# Allegro board 038RT-9068CJK8E-A100_0921.brd (continued)
## Routing (per net, layer and track width the routed paths; a pad name or vN(x,y) marks a point on that pad's centre or on a via; arc(x,y) is an arc through that point) (continued)
SLOT2.UB6: length 1258.2
  L24_RLY w0.203: UNK3K225.8 552.23,241.6 550.66,240.03 550.66,212.09 551.42,211.33 551.42,205.49 548.62,202.69 538.78,202.69 UNK1K225.8 ; UNK2K225.8 186.04,284.39 186.04,287.4 183.63,289.81 164.83,289.81 161.27,286.26 161.27,282.7 160,281.43 153.65,281.43 146.12,273.9 146.12,242.99 147.3,241.81 147.3,233.68 146.29,232.66 139.8,232.66 K225.8 137.98,230.69 139.68,228.98 147.56,228.98 149.72,226.82 149.72,220.6 174.48,195.83 174.48,101.25 185.18,90.55 249.03,90.55 250.77,92.29 250.77,95.61 SLOT2-DOWN.D3
  L38_SIGNAL w0.203: UNK3K225.8 551.3,240.28 537.19,240.28 536.18,239.27 536.18,234.44 537.45,233.17 541.51,233.17 542.27,232.41 542.27,230.89 553.2,219.96 568.69,219.96 570.98,217.68 570.98,176.88 568.72,174.62 532.62,174.62 514.41,156.41 514.41,87.19 505.47,78.26 189.29,78.26 175.66,91.89 175.66,158.2 157.02,176.85 132.5,176.85 125.71,183.64 125.71,206.76 123.99,208.48 123.99,234.54 126.88,237.44 126.88,243.03 132.24,248.39 142.99,248.39 145.37,250.77 145.37,252.58 151.11,258.32 178.55,258.32 182.61,262.38 182.61,276.35 187.57,281.31 UNK2K225.8
SLOT2.UB7: length 1216.8
  L24_RLY w0.203: UNK2K226.8 198.32,278.38 159.75,278.38 158.48,277.11 158.48,245.62 154.42,241.55 154.42,232.04 K226.8 153.22,228.4 153.91,227.71 153.91,217.68 175.62,195.96 175.62,101.73 185.66,91.69 248.78,91.69 249.92,92.84 249.92,96.76 SLOT2-DOWN.D4 ; UNK3K226.8 539.22,239.77 539.22,228.1 540.75,226.57 540.75,219.46 536.43,215.14 536.43,210.19 537.38,209.24 UNK1K226.8
  L38_SIGNAL w0.203: UNK2K226.8 202.81,282.07 194.55,273.81 194.55,256.54 192.77,254.76 148.83,254.76 146.54,252.48 146.54,249.43 144.05,246.94 132.34,246.94 128.1,242.7 128.1,236.37 125.82,234.09 125.82,208.13 128.13,205.82 128.13,183.26 133.5,177.89 157.24,177.89 177.03,158.1 177.03,92.46 190.12,79.38 504.68,79.38 513.18,87.87 513.18,156.45 532.62,175.89 568.05,175.89 570.21,178.05 570.21,217.42 568.44,219.2 552.94,219.2 541.26,230.89 536.69,230.89 535.42,232.16 535.42,239.64 UNK3K226.8
SLOT2.UB15: length 261.4
  L36_SIGNAL w0.203: KB1.12 57.21,394.39 59.29,392.3 229.3,392.3 235.7,385.9 235.7,333.89 237,332.59 245.45,332.59 SLOT2-UP.F3
SLOT3.CH0: length 563.4
  L21_SIGNAL w0.105: SLOT3-UP.B27 440.9,382.84 440.9,392.73 437.75,395.88 360.52,395.88 352.31,387.67 352.31,330.57 333.29,311.56 333.29,270.86 325.25,262.83 325.25,260.39 318.9,254.03 318.9,214.99 316.82,212.91 311.78,212.91 310.81,213.88 310.81,215.62 308.17,218.26 308.17,228.72 304.22,232.67 219.75,232.67 215.73,236.69 215.73,245.94 214.01,247.67 179.28,247.67 173.54,241.92 121.68,241.92 119.17,244.44 119.17,275.9 v1(115.62,279.45)
  BOTTOM w0.115: v1(115.62,279.45) UNK2RR930.2
SLOT3.CH1: length 325.5
  L21_SIGNAL w0.105: SLOT3-UP.A26 447.92,377.26 447.92,394.88 441.58,401.22 342.49,401.22 321.12,379.86 321.12,260.43 313.56,252.87 313.56,215.92 K34.2
SLOT3.CH2: length 619.6
  TOP w0.115: v2(400.7,451.66) v2(400.7,449.12) 402.68,447.14 402.68,443.15 402.03,442.51 UNK3HOST2.26
  L19_SIGNAL w0.105: SLOT3-UP.C26 444.25,377.59 447.78,377.59 450.6,380.41 540.31,380.41 574.4,346.32 645.54,346.32 669.3,370.09 669.3,438.03 639.95,467.38 416.41,467.38 v2(400.7,451.66)
SLOT3.CH3: length 735.2
  TOP w0.115: UNK1HOST2.26 464.71,33.66 464.07,33.02 464.07,29.03 v2(466.05,27.05) v2(466.05,24.51)
  L19_SIGNAL w0.105: v2(466.05,24.51) 466.79,25.25 466.79,28.82 465.87,29.74 465.87,32.66 468.99,35.78 468.99,43.37 468.16,44.19 468.16,46.96 467.42,47.71 467.42,58.37 462.52,63.26 440.26,63.26 434.02,69.5 434.02,119.8 436.14,121.93 437.22,121.93 438.19,120.95 439.66,120.95 440.36,121.65 458.68,121.65 460.38,123.35 460.38,145.98 478.98,164.58 618.32,164.58 625.01,171.27 625.01,295.61 626.86,297.46 626.86,343.09 624.57,345.38 569.1,345.38 536.76,377.73 489.88,377.73 489.03,378.58 487.66,378.58 486.81,377.73 465.12,377.73 464.25,378.6 462.78,378.6 462.08,377.91 450.65,377.91 448.07,375.33 445.99,375.33 SLOT3-UP.B25
SLOT3.CH4: length 322.2
  L21_SIGNAL w0.105: SLOT3-UP.A24 446.15,373.6 446.15,395 441.3,399.84 343.91,399.84 322.48,378.41 322.48,260.22 316.53,254.27 316.53,223.18 315.74,222.39 315.74,217.88 v2(314.72,216.86)
SLOT3.CH5: length 709
  TOP w0.115: v2(404.04,24.51) v2(404.04,27.05) 402.06,29.03 402.06,33.02 402.7,33.66 UNK1HOST1.26
  L19_SIGNAL w0.102: 396.8,46.91 401.96,52.07
  L19_SIGNAL w0.105: v2(404.04,24.51) 397.02,24.51 394.76,26.77 394.76,34.71 393.09,36.38 393.09,38.96 396.43,42.3 396.43,46.54 396.8,46.91 ; 401.96,52.07 404.92,55.03 404.92,63.49 429.77,88.33 429.77,121.48 433.91,125.62 437.36,125.62 438.23,124.75 439.83,124.75 440.8,125.72 457.4,125.72 459.07,127.4 459.07,147.84 477.33,166.09 560.61,166.09 562.25,167.73 591.91,167.73 594.5,170.33 606.03,170.33 616.22,180.51 620.86,180.51 624.21,183.86 624.21,223.02 622.53,224.69 622.53,286.93 619.11,290.35 612.07,290.35 607.43,294.99 607.43,330.98 599.14,339.27 565.8,339.27 531.41,373.65 490.23,373.65 489.13,374.75 488.01,374.75 486.8,373.54 465.65,373.54 464.32,374.86 463.13,374.86 462.15,373.89 448.57,373.89 447.99,373.3 443.96,373.3 SLOT3-UP.C24
SLOT3.CH6: length 747.5
  TOP w0.115: v2(285.13,24.51) v2(285.13,27.05) 282.9,29.28 282.9,32.82 282.66,33.06 HOST2.27
  L19_SIGNAL w0.105: SLOT3-UP.B23 445.95,371.29 447.9,371.29 449.4,369.8 462.08,369.8 463.12,370.84 464.1,370.84 465.12,369.82 487.41,369.82 488.36,370.77 489.56,370.77 490.81,369.52 523.7,369.52 563.14,330.08 576.32,330.08 583.01,323.4 583.01,302.13 587.49,297.65 587.49,240.13 586.54,239.18 586.54,231.37 587.59,230.32 587.59,179.78 580.05,172.24 558.28,172.24 554.09,168.05 477.09,168.05 457.7,148.65 457.7,132.31 455.16,129.77 440.2,129.77 439.3,128.87 438,128.87 437.09,129.79 434.6,129.79 425.87,121.06 425.87,94.1 419.81,88.04 394.35,88.04 366.23,59.92 366.23,18.24 360.24,12.25 337.08,12.25 332.39,16.94 290.13,16.94 285.94,21.13 285.94,23.7 v2(285.13,24.51)
SLOT3.CH7: length 289.3
  L19_SIGNAL w0.105: v1(342.59,217.53) 344.85,219.79 345.63,219.79 351.8,225.97 357.76,225.97 369.13,237.33 475.01,237.33 479.45,241.78 479.45,289.17 453.04,315.58 453.04,362.7 SLOT3-UP.A22
  BOTTOM w0.115: MUX14.7 341.94,218.18 v1(342.59,217.53)
SLOT3.CH8: length 765.5
  TOP w0.115: v2(283.6,24.51) v2(283.6,27.05) 281.62,29.03 281.62,33.02 282.26,33.66 HOST2.26
  L19_SIGNAL w0.105: v2(283.6,24.51) 284.36,23.75 284.36,21.51 289.85,16.02 332,16.02 336.69,11.33 360.62,11.33 367.15,17.86 367.15,59.54 394.94,87.32 421.07,87.32 427.6,93.85 427.6,121.23 434.01,127.65 437.28,127.65 437.98,126.95 440.05,126.95 440.67,127.57 456.37,127.57 458.62,129.82 458.62,148.06 477.22,166.66 554.57,166.66 559.41,171.5 585.07,171.5 589.66,176.1 589.66,230.98 589.16,231.48 589.16,294.5 588.37,295.29 588.37,328.49 582.13,334.73 564.36,334.73 527.55,371.54 490.33,371.54 489.21,372.67 488.01,372.67 487.16,371.82 465.02,371.82 464,372.84 463.13,372.84 462.08,371.79 444.7,371.79 444.01,371.09 444.01,369.35 SLOT3-UP.C22
SLOT3.CH9: length 288.5
  L19_SIGNAL w0.105: v1(342.59,219.48) 343.36,220.26 345.22,220.26 346.43,221.46 346.43,223.35 349.66,226.58 357.61,226.58 369.36,238.33 475.24,238.33 478.85,241.94 478.85,288.92 452.44,315.33 452.44,361.07 447.86,365.65 446.1,365.65 SLOT3-UP.B21
  BOTTOM w0.115: MUX14.6 341.94,218.83 v1(342.59,219.48)
SLOT3.CH10: length 277.8
  L19_SIGNAL w0.105: v1(342.59,228.96) 357.19,228.96 367.47,239.23 474.25,239.23 478.07,243.05 478.07,288.59 451.66,315 451.66,360.09 SLOT3-UP.A20
  BOTTOM w0.115: v1(342.59,228.96) 341.94,229.61 MUX13.7
SLOT3.CH11: length 314.8
  L21_SIGNAL w0.105: v1(594.46,180.67) 593.47,181.66 593.47,182.54 589.21,186.8 589.21,232.16 587.83,233.55 587.83,235.59 585.64,237.77 561.56,237.77 556.28,243.05 519.07,243.05 511.75,250.37 511.75,275.56 508.36,278.96 459.75,278.96 453.69,285.02 453.69,308.28 439.31,322.65 439.31,356.17 440.72,357.57 441.6,357.57 442.27,358.24 442.27,363.61 SLOT3-UP.C20
  BOTTOM w0.115: v1(594.46,180.67) UNK1RR512.2
SLOT3.CH12: length 275.7
  L19_SIGNAL w0.105: SLOT3-UP.B19 446.22,361.53 448.22,361.53 450.11,359.64 450.11,314.36 476.52,287.95 476.52,256.17 477.3,255.38 477.3,243.42 474.04,240.16 367.28,240.16 358.79,231.67 343.34,231.67 v1(342.59,230.91)
  BOTTOM w0.115: v1(342.59,230.91) 341.94,230.26 MUX13.6
SLOT3.CH13: length 287.9
  L19_SIGNAL w0.105: SLOT3-UP.A18 449.32,358.42 449.32,314.04 475.73,287.63 475.73,255.92 476.66,254.99 476.66,243.65 473.63,240.62 420.39,240.62 416.45,244.56 414.6,244.56 411.96,247.19 397.29,247.19 393.41,243.31 369.53,243.31 358.24,232.01 334.61,232.01 333.51,230.91 v1(330.83,230.91)
  BOTTOM w0.115: MUX16.6 330.18,230.26 v1(330.83,230.91)
SLOT3.CH15: length 182.8
  L21_SIGNAL w0.105: S3_TAPSL1.2 557.76,404.98 455.76,404.98 448.29,397.51 448.29,359.92 447.91,359.54 446.2,359.54 SLOT3-UP.B17
  BOTTOM w0.115: UNK3RD80.2 S3_TAPSL1.2
SLOT3.CH16: length 351.5
  L21_SIGNAL w0.105: SLOT3-UP.A16 449.56,358.9 449.56,395.99 456.52,402.95 573.16,402.95 614.16,361.95 614.16,307.21 610.35,303.4 610.35,282.83 613.01,280.16 613.01,260.48 608.19,255.65 608.19,242.2 v1(606.65,240.67)
SLOT3.CH17: length 195.9
  L21_SIGNAL w0.105: S3_TAPSL0.2 567.04,404.09 456.14,404.09 448.93,396.88 448.93,359.03 447.28,357.38 444.04,357.38 SLOT3-UP.C16
  BOTTOM w0.115: UNK3RD79.2 S3_TAPSL0.2
SLOT3.CH18: length 345.3
  L21_SIGNAL w0.105: v1(602.59,240.67) 601.71,241.55 601.71,251.97 607.3,257.56 607.3,275.59 608.82,277.11 608.82,295.78 607.3,297.31 607.3,364.36 570.49,401.17 457.92,401.17 450.96,394.21 450.96,358.27 448.04,355.35 446.01,355.35 SLOT3-UP.B15
SLOT3.CH19: length 340
  L21_SIGNAL w0.102: 606.06,258.6 606.15,258.7 606.15,273.84
  L21_SIGNAL w0.105: v1(598.53,240.67) 597.9,241.3 597.9,250.44 606.06,258.6 ; 606.15,273.84 606.15,304.04 602.34,307.85 602.34,366.9 570.11,399.14 459.57,399.14 452.1,391.67 452.1,356.24 448.41,352.54 SLOT3-UP.A14
SLOT3.CH20: length 346.6
  L21_SIGNAL w0.105: v1(600.56,240.67) 599.93,241.3 599.93,250.7 606.79,257.56 606.79,275.84 608.06,277.11 608.06,295.47 606.54,296.99 606.54,364.05 570.43,400.15 458.68,400.15 451.6,393.06 451.6,357.25 447.91,353.57 444.23,353.57 SLOT3-UP.C14
SLOT3.CH21: length 339.6
  L21_SIGNAL w0.105: v1(594.46,240.67) 593.2,241.93 593.2,243.08 589.77,246.51 589.77,290.23 600.69,301.15 600.69,365.12 568.72,397.1 461.1,397.1 453.25,389.25 453.25,355.09 447.91,349.76 445.98,349.76 SLOT3-UP.B13
SLOT3.CH22: length 330.2
  L21_SIGNAL w0.105: SLOT3-UP.A12 450.51,348.54 455.28,353.31 455.28,387.1 463.25,395.07 569.1,395.07 596.12,368.05 596.12,297.94 588.88,290.7 588.88,242.19 v1(590.4,240.67)
SLOT3.CH23: length 339.1
  L21_SIGNAL w0.105: v1(592.43,240.67) 591.04,242.06 591.04,243.59 589.39,245.24 589.39,290.38 600.31,301.31 600.31,364.74 568.97,396.09 462.11,396.09 453.88,387.86 453.88,354.84 448.29,349.25 443.91,349.25 SLOT3-UP.C12
  BOTTOM w0.115: v1(592.43,240.67) UNK3RR510.2
SLOT3.CH24: length 330.8
  L21_SIGNAL w0.105: v1(588.37,240.67) 587.23,241.8 587.23,248.16 588.37,249.3 588.37,292.23 595.36,299.21 595.36,368.05 569.48,393.93 464.4,393.93 455.79,385.32 455.79,352.68 450.45,347.35 446.01,347.35 SLOT3-UP.B11
SLOT3.CH25: length 324
  L21_SIGNAL w0.105: v1(584.3,240.67) 584.82,241.19 584.82,248.16 587.23,250.57 587.23,292.61 593.58,298.96 593.58,366.39 568.21,391.77 466.3,391.77 457.69,383.16 457.69,352.55 449.68,344.54 SLOT3-UP.A10
SLOT3.CH26: length 331.3
  L21_SIGNAL w0.105: SLOT3-UP.C10 444.1,345.44 449.56,345.44 457.18,353.06 457.18,384.94 465.16,392.91 568.21,392.91 594.85,366.27 594.85,299.47 587.74,292.35 587.74,250.32 585.45,248.03 585.45,241.55 v1(586.33,240.67)
SLOT3.CH27: length 316.1
  L21_SIGNAL w0.105: SLOT3-UP.B9 445.94,343.28 449.82,343.28 459.09,352.55 459.09,383.41 466.68,391.01 567.83,391.01 589.77,369.06 589.77,298.7 576.44,285.37 576.44,252.39 v1(574.97,250.92)
SLOT3.CH28: length 395.4
  L11_SIGNAL w0.102: v1(401.3,263.02) 400.9,263.42 397.68,263.42
  L11_SIGNAL w0.105: 397.68,263.42 396.95,263.42 396.37,264 396.37,268.55 395.06,269.86 395.06,278.21 416.4,299.55 507.62,299.55 519.73,287.43 519.73,281.48 v2(521.89,279.32)
  L21_SIGNAL w0.105: v2(521.89,279.32) 522.46,279.89 522.46,304.33 534.27,316.14 534.27,366.9 512.33,388.85 467.06,388.85 459.85,381.63 459.85,349.38 451.02,340.54 SLOT3-UP.A8
SLOT3.CH29: length 244.8
  L21_SIGNAL w0.105: SLOT3-UP.C8 444.29,341.63 450.2,341.63 459.47,350.9 459.47,382.9 466.68,390.12 512.96,390.12 536.05,367.03 536.05,316.61 525,305.56 525,285.5 523.86,284.35 523.86,272.12 UNK3K233.4
SLOT3.CH30: length 396
  L11_SIGNAL w0.102: 397.68,262.62 400.1,262.62 v1(400.5,263.02)
  L11_SIGNAL w0.105: v2(521.89,280.85) 520.53,282.21 520.53,287.76 507.95,300.35 416.07,300.35 393.39,277.67 393.39,272.83 394.25,271.97 394.25,269.5 395.57,268.18 395.57,263.67 396.62,262.62 397.68,262.62
  L21_SIGNAL w0.105: SLOT3-UP.B7 445.92,337.82 450.71,337.82 460.36,347.47 460.36,379.98 467.83,387.45 511.18,387.45 532.49,366.14 532.49,315.85 521.06,304.42 521.06,281.68 v2(521.89,280.85)
SLOT3.CH31: length 221.3
  L21_SIGNAL w0.105: UNK3K232.5 520.56,273.97 520.56,376.05 510.42,386.18 467.45,386.18 460.87,379.6 460.87,346.07 451.33,336.54 SLOT3-UP.A6
SLOT3.CH32: length 106.1
  L19_SIGNAL w0.102: v1(401.3,203.82) 400.9,204.22 397.75,204.22
  L19_SIGNAL w0.105: 397.75,204.22 396.03,202.5 396.03,171.77 412.99,154.81 438.38,154.81 446.26,146.93 446.26,139.67 SLOT3-DOWN.B24
SLOT3.CH33: length 104.1
  L19_SIGNAL w0.102: 402.5,199.33 402.5,203.42 v1(402.9,203.82)
  L19_SIGNAL w0.105: 402.5,199.33 402.5,184.11 404.44,182.17 404.44,164.64 413.42,155.66 441.23,155.66 449.53,147.37 449.53,138.94 SLOT3-DOWN.A23
SLOT3.CH34: length 108.9
  L19_SIGNAL w0.102: 397.16,205.02 400.9,205.02 v1(401.3,204.62)
  L19_SIGNAL w0.105: SLOT3-DOWN.C23 444.23,137.64 444.23,147.83 438.05,154.01 412.66,154.01 395.46,171.21 395.46,203.33 397.16,205.02
SLOT3.CH35: length 108.1
  L19_SIGNAL w0.102: 403.3,199.33 403.3,203.42 v1(403.7,203.82)
  L19_SIGNAL w0.105: SLOT3-DOWN.B22 446.1,135.51 447.53,135.51 450.33,138.3 450.33,147.7 441.56,156.46 413.75,156.46 405.24,164.97 405.24,182.5 403.3,184.44 403.3,199.33
SLOT3.CH36: length 165.1
  L21_SIGNAL w0.105: SLOT3-DOWN.A21 451.38,136.79 451.38,151.63 458.59,158.84 499.5,158.84 513.57,172.91 513.57,187.45 510.78,190.25 510.78,234.98 UNK1K10.8
  BOTTOM w0.115: UNK3CD177.1 UNK1K10.8
SLOT3.CH37: length 168.9
  L21_SIGNAL w0.105: UNK1K10.5 511.29,239.55 511.29,191.01 514.33,187.96 514.33,172.59 499.82,158.08 459.98,158.08 452.14,150.24 452.14,135.69 448.08,131.62 444.19,131.62 SLOT3-DOWN.C21
  BOTTOM w0.115: UNK1CD177.1 UNK1K10.5
SLOT3.CH38: length 139.1
  L34_SIGNAL w0.105: v1(436.94,261.45) 438.64,259.74 438.64,246.63 443.98,241.3 443.98,203.58 447.53,200.03 447.53,165.99 449.82,163.7 449.82,133.48 447.91,131.57 446.16,131.57 SLOT3-DOWN.B20
SLOT3.CH39: length 79.9
  L32_SIGNAL w0.105: v1(436.94,201.45) 438.64,199.74 438.64,178.69 450.65,166.68 450.65,132.06 SLOT3-DOWN.A19
SLOT3.CH40: length 235.3
  L34_SIGNAL w0.105: SLOT3-DOWN.C19 442.15,129.67 440.93,129.67 440.04,128.78 438.01,128.78 436.86,129.92 430.89,129.92 429.75,131.06 429.75,145.8 412.23,163.32 340.09,163.32 328.66,174.75 328.66,226.57 316.09,239.14 316.09,260.6 v2(316.94,261.45)
SLOT3.CH41: length 168.6
  L32_SIGNAL w0.105: SLOT3-DOWN.B18 444.3,127.51 440.8,127.51 440.17,126.87 438.26,126.87 437.37,127.76 435.34,127.76 432.67,130.43 432.67,140.4 397.69,175.39 338.97,175.39 316.21,198.14 316.21,200.72 v1(316.94,201.45)
SLOT3.CH42: length 397.1
  L11_SIGNAL w0.102: 397.68,202.62 400.1,202.62 v1(400.5,203.02)
  L11_SIGNAL w0.105: 397.68,202.62 396.62,202.62 395.89,203.35 395.89,205.92 394.27,207.55 390.85,207.55 389.59,208.8 389.59,214.03 410.4,234.83 526.06,234.83 526.71,234.18 541.01,234.18 546.09,229.1 v2(559.36,229.1)
  L21_SIGNAL w0.105: v2(559.36,229.1) 548.24,229.1 542.53,223.39 542.53,174.42 537.2,169.09 520.05,169.09 506.39,155.42 462.52,155.42 455.47,148.37 455.47,128.1 451.98,124.61 SLOT3-DOWN.A17
SLOT3.CH43: length 167.2
  L21_SIGNAL w0.105: SLOT3-DOWN.C17 444.12,125.53 450.59,125.53 454.2,129.13 454.2,148.55 462.01,156.36 505.85,156.36 521.45,171.96 521.45,211.07 522.97,212.6 522.97,227.43 UNK1K232.5
SLOT3.CH44: length 399.4
  L11_SIGNAL w0.102: v1(401.3,203.02) 400.9,203.42 397.68,203.42
  L11_SIGNAL w0.105: v2(559.36,227.58) 558.39,228.54 545.48,228.54 540.64,233.38 526.38,233.38 525.73,234.03 410.73,234.03 390.39,213.7 390.39,209.14 391.18,208.35 394.6,208.35 396.69,206.25 396.69,203.68 396.95,203.42 397.68,203.42
  L21_SIGNAL w0.105: SLOT3-DOWN.B16 446.07,123.48 453.56,123.48 456.12,126.03 456.12,147.92 461.97,153.77 507.07,153.77 520.73,167.44 537.88,167.44 544.18,173.74 544.18,223.9 547.86,227.58 v2(559.36,227.58)
SLOT3.CH45: length 176.1
  L21_SIGNAL w0.105: v1(584.3,180.67) 582.7,179.07 551.9,179.07 538.26,165.43 520.72,165.43 507.23,151.94 463.28,151.94 458.06,146.72 458.06,122.91 456.18,121.03 447.62,121.03 SLOT3-DOWN.A15
  BOTTOM w0.115: v1(584.3,180.67) UNK1RR912.2
SLOT3.CH46: length 277.1
  L07_SIGNAL w0.1: UNK1K54.3 632.82,160.43 632.92,160.33 632.92,150.02 632.82,149.92 UNK1K52.2
  L19_SIGNAL w0.1: UNK1K52.2 632.82,149.92 632.92,149.82 632.92,145.13 626.98,139.19 626.98,120.02 616.19,109.22 549.89,109.22 524.11,83.44 461.63,83.44 458.07,87 458.07,113.92 452.23,119.76 444.05,119.76 SLOT3-DOWN.C15
SLOT3.CH47: length 275.6
  L07_SIGNAL w0.1: UNK1K52.7 633.38,149.92 633.28,150.02 633.28,160.33 633.38,160.43 UNK1K54.6
  L19_SIGNAL w0.1: UNK1K52.7 633.38,149.92 633.28,149.82 633.28,144.98 627.35,139.04 627.35,119.86 616.34,108.86 550.04,108.86 524.26,83.08 461.48,83.08 457.71,86.84 457.71,113.77 452.08,119.4 445.99,119.4 SLOT3-DOWN.B14
SLOT3.CH48: length 307
  L07_SIGNAL w0.1: UNK1K58.3 639.86,160.43 639.96,160.33 639.96,150.02 639.86,149.92 UNK1K56.2
  L19_SIGNAL w0.1: SLOT3-DOWN.A13 447.99,115.82 454.39,115.82 455.79,114.43 455.79,81.41 458.58,78.61 523.99,78.61 541.26,95.88 638.79,95.88 644.89,101.98 644.89,135.89 639.96,140.82 639.96,149.82 639.86,149.92 UNK1K56.2
SLOT3.CH49: length 311.8
  L07_SIGNAL w0.1: UNK1K58.6 640.42,160.43 640.32,160.33 640.32,150.02 640.42,149.92 UNK1K56.7
  L19_SIGNAL w0.1: UNK1K56.7 640.42,149.92 640.32,149.82 640.32,140.97 645.25,136.04 645.25,101.83 638.94,95.52 541.41,95.52 524.14,78.25 458.43,78.25 455.42,81.26 455.42,114.28 454.24,115.46 444.35,115.46 SLOT3-DOWN.C13
SLOT3.CH50: length 171.5
  L19_SIGNAL w0.1: SLOT3-DOWN.B12 446.02,113.79 450.83,113.79 453.88,110.74 453.88,80.78 459.11,75.55 536.71,75.55 550.13,62.13 550.13,46.84 549.28,45.99 546.82,45.99 545.85,46.96 545.85,52.45 545.75,52.55 UNK1K240.2
SLOT3.CH51: length 167.7
  L19_SIGNAL w0.1: SLOT3-DOWN.A11 448.02,113.43 450.68,113.43 453.52,110.59 453.52,80.63 458.96,75.18 536.56,75.18 549.77,61.98 549.77,46.99 549.13,46.35 546.97,46.35 546.22,47.11 546.22,52.45 546.32,52.55 UNK1K240.7
SLOT3.CH52: length 158.4
  L19_SIGNAL w0.1: SLOT3-DOWN.C11 444.07,111.74 450.47,111.74 452.23,109.98 452.23,79.12 459.72,71.63 527.54,71.63 535.8,63.37 535.8,47.37 536.94,46.23 538.59,46.23 539.5,47.14 539.5,52.45 539.4,52.55 UNK1K242.2
SLOT3.CH53: length 157
  L19_SIGNAL w0.1: UNK1K242.7 539.97,52.55 539.87,52.45 539.87,46.99 538.74,45.86 536.79,45.86 535.43,47.22 535.43,63.22 527.39,71.26 459.57,71.26 451.87,78.97 451.87,109.83 450.32,111.38 445.97,111.38 SLOT3-DOWN.B10
SLOT3.CH54: length 167.3
  L34_SIGNAL w0.105: v1(436.94,266.53) 438.81,266.53 449.44,255.91 449.44,172.47 452.04,169.86 452.04,113.45 SLOT3-DOWN.A9
SLOT3.CH55: length 112.7
  L32_SIGNAL w0.105: v1(436.94,206.53) 449.18,194.28 449.18,174.24 453.59,169.83 453.59,112.87 450.21,109.48 444.07,109.48 SLOT3-DOWN.C9
SLOT3.CH56: length 269.6
  L34_SIGNAL w0.105: SLOT3-DOWN.B8 444.24,107.57 440.29,107.57 439.02,108.84 438.13,108.84 437.12,107.82 435.97,107.82 433.43,110.36 430.77,110.36 427.59,113.54 427.59,141.35 408.42,160.53 336.41,160.53 322.82,174.12 322.82,190.88 320.91,192.79 320.91,211.96 321.55,212.6 321.55,227.46 311.26,237.74 311.26,264.29 312.28,265.3 315.71,265.3 v1(316.94,266.53)
SLOT3.CH57: length 198.9
  L32_SIGNAL w0.105: v1(316.94,206.53) 314.31,203.9 314.31,197.56 339.53,172.34 397.38,172.34 425.69,144.03 425.69,123.95 431.78,117.86 431.78,109.47 435.34,105.92 437.12,105.92 438.26,104.78 439.91,104.78 440.8,105.66 446.15,105.66 SLOT3-DOWN.A7
SLOT3.CH58: length 136.2
  L19_SIGNAL w0.1: UNK1K241.2 532.35,51.35 532.25,51.45 532.25,62.48 525.53,69.2 454.28,69.2 451.34,72.14 451.34,101.48 449.08,103.74 444.07,103.74 SLOT3-DOWN.C7
SLOT3.CH59: length 133.5
  L19_SIGNAL w0.1: SLOT3-DOWN.B6 445.97,103.38 448.93,103.38 450.98,101.33 450.98,71.99 454.13,68.83 525.38,68.83 531.88,62.33 531.88,51.45 531.78,51.35 UNK1K241.7
SLOT3.CH60: length 124.5
  L19_SIGNAL w0.1: SLOT3-DOWN.A5 448.01,99.8 448.83,99.8 449.8,98.83 449.8,70.5 454.03,66.28 523.63,66.28 525.9,64.01 525.9,51.45 526,51.35 UNK1K243.2
SLOT3.CH61: length 128
  L19_SIGNAL w0.1: SLOT3-DOWN.C5 444.37,99.44 448.67,99.44 449.44,98.68 449.44,70.35 453.88,65.91 523.48,65.91 525.53,63.86 525.53,51.45 525.43,51.35 UNK1K243.7
SLOT3.CH62: length 237.4
  L21_SIGNAL w0.105: v1(604.62,180.67) 604.62,177.16 596.76,169.29 558.47,169.29 546.52,157.33 546.52,111.18 518.96,83.63 458.73,83.63 452.75,89.61 452.75,93.66 448.75,97.66 446.15,97.66 SLOT3-DOWN.B4
  BOTTOM w0.115: v1(604.62,180.67) UNK1RR915.2
SLOT3.CH63: length 124.1
  L44_SIGNAL w0.105: SLOT3-DOWN.A3 446.01,95.42 446.01,89.41 449.82,85.6 510.27,85.6 531.99,63.88 531.99,46.24 v2(530.42,44.66)
SLOT3.CH64: length 534.7
  TOP w0.115: v2(461.18,451.66) v2(461.18,449.12) 463.41,446.89 463.41,443.35 463.64,443.12 UNK3HOST1.27
  L19_SIGNAL w0.105: v2(461.18,451.66) 461.93,452.41 461.93,453.75 471.89,463.71 639.84,463.71 656.42,447.14 656.42,415.39 647.13,406.11 647.13,357.43 642.91,353.22 572.55,353.22 544.19,381.57 444.23,381.57 SLOT3-UP.D27
SLOT3.CH65: length 200.6
  L19_SIGNAL w0.105: SLOT3-UP.F27 438.85,378.77 440.01,377.6 440.01,349.74 439.04,348.77 437.82,348.77 436.84,347.79 415.56,347.79 414.49,346.72 412.95,346.72 411.79,345.56 410.62,345.56 393.82,328.76 349.95,328.76 340.98,319.78 340.98,266.81 v1(342.59,265.2)
  BOTTOM w0.115: v1(342.59,265.2) 341.94,264.55 MUX12.6
SLOT3.CH66: length 200.8
  L19_SIGNAL w0.105: v1(342.59,263.25) 340.4,265.44 340.4,280.49 339.41,281.48 339.41,320.46 349.63,330.68 395.03,330.68 410.06,345.71 410.06,348.36 411.61,349.91 412.13,349.91 413.16,348.88 414.7,348.88 415.45,349.63 437.02,349.63 438.17,350.78 439.02,350.78 439.35,351.1 439.35,374.86 SLOT3-UP.E25
  BOTTOM w0.115: v1(342.59,263.25) 341.94,263.9 MUX12.7
SLOT3.CH67: length 627.9
  TOP w0.115: v2(399.17,451.66) v2(399.17,449.12) 401.4,446.89 401.4,443.35 401.63,443.12 UNK3HOST2.27
  L19_SIGNAL w0.105: SLOT3-UP.D25 442.49,375.83 447.68,375.83 451.44,379.6 538.25,379.6 572.03,345.83 645.84,345.83 670.55,370.54 670.55,438.18 640.1,468.63 414.47,468.63 399.89,454.05 399.89,452.38 v2(399.17,451.66)
SLOT3.CH68: length 537.4
  TOP w0.115: v2(462.71,451.66) v2(462.71,449.12) 464.68,447.14 464.68,443.15 464.04,442.51 UNK3HOST1.26
  L19_SIGNAL w0.105: SLOT3-UP.F25 435.52,375.95 435.52,378.83 438.91,382.22 549.24,382.22 577.37,354.09 642.71,354.09 646.16,357.53 646.16,407.03 654.04,414.92 654.04,447.46 639.27,462.24 473.28,462.24 v2(462.71,451.66)
SLOT3.CH69: length 130.9
  L21_SIGNAL w0.102: v1(412.5,263.02) 413.76,264.29 421.88,264.29 422.64,265.05 422.64,274.32 427.34,279.02 427.34,305.15 423.02,309.47 423.02,361.57 433.22,371.77 SLOT3-UP.E23
SLOT3.CH70: length 714.1
  TOP w0.115: UNK1HOST1.27 403.1,33.06 403.34,32.82 403.34,29.28 v2(405.56,27.05) v2(405.56,24.51)
  L19_SIGNAL w0.102: 408.23,40.64 408.23,40.64
  L19_SIGNAL w0.105: SLOT3-UP.D23 442.15,371.49 442.15,373.06 442.81,373.73 447.78,373.73 449.81,375.76 462.33,375.76 463.21,376.65 464.05,376.65 465.01,375.68 487.11,375.68 488.03,376.61 489.38,376.61 490.51,375.48 497.52,375.48 498.54,376.51 535.71,376.51 570.58,341.64 623.12,341.64 626.31,338.44 626.31,297.86 624.58,296.13 624.58,183.03 620.76,179.21 616.47,179.21 606.58,169.33 595.5,169.33 591.53,165.36 478.32,165.36 459.82,146.86 459.82,125.47 457.82,123.48 440.58,123.48 439.9,122.8 438.03,122.8 437.13,123.7 436.21,123.7 432.81,120.31 432.81,89.31 410.36,66.85 410.36,52.16 411.91,50.61 411.91,44.32 408.23,40.64 ; 408.23,40.64 406.42,38.83 406.42,25.36 v2(405.56,24.51)
SLOT3.CH71: length 131.1
  L21_SIGNAL w0.102: v1(411.7,260.62) 412.1,261.02 420.9,261.02 423.15,263.27 423.15,274.07 427.72,278.64 427.72,305.31 423.4,309.63 423.4,359.66 429.24,365.51 429.24,366.52 433.49,370.77 SLOT3-UP.F23
SLOT3.CH72: length 109.9
  L21_SIGNAL w0.105: UNK3K34.7 431.15,272.96 431.15,275.34 428.35,278.13 428.35,305.57 423.91,310.02 423.91,357.89 429.88,363.86 429.88,366.39 431.25,367.77 SLOT3-UP.E21
SLOT3.CH73: length 905.5
  L19_SIGNAL w0.105: 545.11,279.43 565.73,279.43 571.31,273.85 571.31,247.48 578.94,239.86 578.94,232.51 v2(578.34,231.92) 577.1,230.68 559.2,230.68 556.41,233.47 527.61,233.47 526.32,234.76 368.77,234.76 361.68,227.68 360.35,227.68 358.08,225.4 353.03,225.4 351.08,223.45 351.08,221.9 346.35,217.17 344.07,217.17 340.35,213.45 334.15,213.45 331.56,216.04 331.56,222.8 329.34,225.02 322.91,225.02 309.49,238.43 166.64,238.43 163.23,241.85 113.58,241.85 v2(112.25,240.52) ; 545.11,279.43 524.44,279.43 523.34,278.33 483.05,278.33 480.7,280.67 480.7,295.6 455.39,320.91 455.39,362.12 448.08,369.43 446.68,369.43 446.13,368.88 446.13,367.91 445.63,367.41 442.07,367.41 SLOT3-UP.D21 ; 545.11,279.43 v2(540.88,283.66)